# Allegro board SDHCalFEB.brd (continued)
## Routing (per net, layer and track width the routed paths; a pad name or vN(x,y) marks a point on that pad's centre or on a via; arc(x,y) is an arc through that point) (continued)
HOLD_D: length 392.8
  TOP w0.127: U1040.119 v2(75.74,69.84) ; U910.119 v2(235.76,69.84) ; U1050.4 v1(345.97,202.38) ; U845.119 v2(312.22,69.84) ; U975.119 v2(155.75,69.84)
  GND1 w0.127: v2(75.74,69.84) v3(76.48,69.84) ; v2(155.75,69.84) v3(156.49,69.84) ; v2(312.22,69.84) v3(311.48,69.84) ; v2(235.76,69.84) v3(236.5,69.84)
  SIG2 w0.127: v3(76.48,69.84) v3(156.49,69.84) v3(236.5,69.84) v3(311.48,69.84) 313.07,69.84 338.48,95.25 338.48,194.88 v1(345.97,202.38)
IBI_PA_ASIC_A1: length 1.9
  TOP w0.305: C70.2 302.37,314.56 302.02,314.21 U65.136
IBI_PA_ASIC_A2: length 1.8
  TOP w0.305: U130.136 222.01,314.06 222.34,314.39 C157.2
IBI_PA_ASIC_A3: length 2.1
  TOP w0.305: C244.2 142.33,314.79 142,314.46 U195.136
IBI_PA_ASIC_A4: length 2.2
  TOP w0.305: C331.2 62.28,314.76 61.99,314.46 U260.136
IBI_PA_ASIC_B1: length 2
  TOP w0.305: C418.2 302.37,234.58 302.02,234.23 U325.136
IBI_PA_ASIC_B5: length 2.2
  TOP w0.305: U390.136 222.01,234.28 222.34,234.61 C505.2
IBI_PA_ASIC_B6: length 2.1
  TOP w0.305: U455.136 142,234.3 142.35,234.65 C592.2
IBI_PA_ASIC_B7: length 2.2
  TOP w0.305: C679.2 62.34,234.7 61.99,234.35 U520.136
IBI_PA_ASIC_C1: length 2.2
  TOP w0.305: C766.2 302.37,154.75 302.02,154.39 U585.136
IBI_PA_ASIC_C2: length 2.2
  TOP w0.305: U650.136 222.01,154.39 222.36,154.75 C853.2
IBI_PA_ASIC_C3: length 2.2
  TOP w0.305: C940.2 142.38,154.72 142,154.34 U715.136
IBI_PA_ASIC_C4: length 2.2
  TOP w0.305: C1027.2 62.31,154.64 61.99,154.32 U780.136
IBI_PA_ASIC_D1: length 2.1
  TOP w0.305: C1114.2 302.37,74.71 302.02,74.36 U845.136
IBI_PA_ASIC_D2: length 2.2
  TOP w0.305: U910.136 222.01,74.21 222.36,74.56 C1201.2
IBI_PA_ASIC_D3: length 2.1
  TOP w0.305: C1288.2 142.35,74.58 142,74.23 U975.136
IBI_PA_ASIC_D4: length 2.1
  TOP w0.305: C1375.2 62.34,74.63 61.99,74.28 U1040.136
IREF_DAC_ASIC_A1: length 2.1
  TOP w0.305: U65.73 307.22,280.28 R67.1
IREF_DAC_ASIC_A2: length 2.3
  TOP w0.305: R151.1 227.21,280.26 U130.73
IREF_DAC_ASIC_A3: length 2.2
  TOP w0.305: U195.73 147.2,280.21 R234.1
IREF_DAC_ASIC_A4: length 2.2
  TOP w0.305: U260.73 67.19,280.14 R317.1
IREF_DAC_ASIC_B1: length 2.3
  TOP w0.305: R400.1 307.22,200.1 U325.73
IREF_DAC_ASIC_B5: length 2.2
  TOP w0.305: R484.1 227.21,200.28 U390.73
IREF_DAC_ASIC_B6: length 2.3
  TOP w0.305: R567.1 147.2,200.26 U455.73
IREF_DAC_ASIC_B7: length 2.2
  TOP w0.305: U520.73 67.19,200.78 67.32,200.65 R650.1
IREF_DAC_ASIC_C1: length 2.2
  TOP w0.305: R733.1 307.5,120.64 307.22,120.92 U585.73
IREF_DAC_ASIC_C2: length 2.2
  TOP w0.305: R817.1 227.39,120.69 227.21,120.87 U650.73
IREF_DAC_ASIC_C3: length 2.2
  TOP w0.305: U715.73 147.2,120.82 147.42,120.6 R900.1
IREF_DAC_ASIC_C4: length 2.3
  TOP w0.305: R983.1 67.19,120.37 U780.73
IREF_DAC_ASIC_D1: length 2.2
  TOP w0.305: U845.73 307.22,40.28 R1066.1
IREF_DAC_ASIC_D2: length 2.2
  TOP w0.305: R1150.1 227.21,40.31 U910.73
IREF_DAC_ASIC_D3: length 2.2
  TOP w0.305: U975.73 147.2,40.34 R1233.1
IREF_DAC_ASIC_D4: length 2.2
  TOP w0.305: U1040.73 67.19,40.29 R1316.1
N271553_ASIC_A1: length 35.7
  TOP w0.127: R66.2 R65.2 297.68,318.13 295.52,315.96 U65.146
N271553_ASIC_A2: length 34.2
  TOP w0.127: R150.2 R149.2 217.75,318.18 215.51,315.94 U130.146
N271553_ASIC_A3: length 34.4
  TOP w0.127: U195.146 135.5,316.34 137.46,318.31 R232.2 R233.2
N271553_ASIC_A4: length 34.4
  TOP w0.127: U260.146 55.49,316.32 57.27,318.11 R315.2 R316.2
N271553_ASIC_B1: length 34.3
  TOP w0.127: R399.2 R398.2 297.7,238.37 295.52,236.18 U325.146
N271553_ASIC_B5: length 34.3
  TOP w0.127: R483.2 R482.2 217.39,238.14 215.51,236.26 U390.146
N271553_ASIC_B6: length 33.9
  TOP w0.127: R566.2 R565.2 138.14,238.09 135.5,235.45 U455.146
N271553_ASIC_B7: length 33.9
  TOP w0.127: U520.146 55.49,235.47 58.11,238.09 R648.2 R649.2
N271553_ASIC_C1: length 34.1
  TOP w0.127: U585.146 295.52,155.9 297.83,158.21 R731.2 R732.2
N271553_ASIC_C2: length 34.4
  TOP w0.127: R816.2 R815.2 217.47,158.21 215.51,156.25 U650.146
N271553_ASIC_C3: length 34.3
  TOP w0.127: U715.146 135.5,156.12 137.48,158.11 R898.2 R899.2
N271553_ASIC_C4: length 34.2
  TOP w0.127: U780.146 55.49,156.07 57.52,158.11 R981.2 R982.2
N271553_ASIC_D1: length 34.2
  TOP w0.127: U845.146 295.52,76.11 297.53,78.12 R1064.2 R1065.2
N271553_ASIC_D2: length 34.1
  TOP w0.127: U910.146 215.51,75.78 217.85,78.12 R1148.2 R1149.2
N271553_ASIC_D3: length 34.2
  TOP w0.127: U975.146 135.5,76.04 137.58,78.12 R1231.2 R1232.2
N271553_ASIC_D4: length 34.1
  TOP w0.127: R1315.2 R1314.2 57.83,78.12 55.49,75.78 U1040.146
N271605_ASIC_A1: length 1.5
  TOP w0.127: R66.1 C65.2
N271605_ASIC_A2: length 5.4
  TOP w0.127: C152.2 246.15,321.4 R150.1
N271605_ASIC_A3: length 6.1
  TOP w0.127: C239.2 169.29,324.13 166.12,320.96 R233.1
N271605_ASIC_A4: length 5.8
  TOP w0.127: C326.2 86.16,320.87 R316.1
N271605_ASIC_B1: length 5.9
  TOP w0.127: C413.2 329.97,243.73 R399.1
N271605_ASIC_B5: length 5.5
  TOP w0.127: C500.2 248.77,243.41 246.15,240.8 R483.1
N271605_ASIC_B6: length 5.3
  TOP w0.127: R566.1 166.17,242.37 C587.2
N271605_ASIC_B7: length 5.5
  TOP w0.127: R649.1 86.16,241.91 C674.2
N271605_ASIC_C1: length 6.4
  TOP w0.127: R732.1 326.16,161.16 329.19,164.19 C761.2
N271605_ASIC_C2: length 5.7
  TOP w0.127: R816.1 246.15,161.45 C848.2
N271605_ASIC_C3: length 5.4
  TOP w0.127: R899.1 166.17,160.99 C936.2
N271605_ASIC_C4: length 5.5
  TOP w0.127: R982.1 86.16,161.61 88.62,164.08 C1023.2
N271605_ASIC_D1: length 5.9
  TOP w0.127: C1110.2 329.36,84.12 326.16,80.92 R1065.1
N271605_ASIC_D2: length 5.3
  TOP w0.127: C1196.2 248.39,83.91 246.15,81.68 R1149.1
N271605_ASIC_D3: length 6
  TOP w0.127: C1283.2 168.63,83.8 166.17,81.33 R1232.1
N271605_ASIC_D4: length 5.6
  TOP w0.127: C1370.2 88.77,84.09 86.16,81.47 R1315.1
N360973_ASIC_A1: length 1.5
  TOP w0.127: C65.1 329.18,315.04 C66.2
N360973_ASIC_A2: length 1.5
  TOP w0.127: C153.2 C152.1
N360973_ASIC_A3: length 1.5
  TOP w0.127: C240.2 C239.1
N360973_ASIC_A4: length 1.5
  TOP w0.127: C327.2 C326.1
N360973_ASIC_B1: length 1.5
  TOP w0.127: C413.1 331.49,244.16 C414.2
N360973_ASIC_B5: length 1.5
  TOP w0.127: C501.2 C500.1
N360973_ASIC_B6: length 1.5
  TOP w0.127: C588.2 C587.1
N360973_ASIC_B7: length 1.5
  TOP w0.127: C674.1 C675.2
N360973_ASIC_C1: length 1.5
  TOP w0.127: C762.2 C761.1
N360973_ASIC_C2: length 1.5
  TOP w0.127: C849.2 C848.1
N360973_ASIC_C3: length 1.5
  TOP w0.127: C935.2 C936.1
N360973_ASIC_C4: length 1.5
  TOP w0.127: C1022.2 C1023.1
N360973_ASIC_D1: length 1.5
  TOP w0.127: C1109.2 C1110.1
N360973_ASIC_D2: length 1.5
  TOP w0.127: C1197.2 C1196.1
N360973_ASIC_D3: length 1.5
  TOP w0.127: C1284.2 C1283.1
N360973_ASIC_D4: length 1.5
  TOP w0.127: C1371.2 C1370.1
OUT_SH_A1: length 35.2
  TOP w0.127: v1(307.22,344.96) 307.22,346.13 J36.1 ; U65.128 v2(307.22,312.16)
  GND1 w0.127: v2(307.22,312.16) v3(307.22,312.9)
  SIG1 w0.127: v3(307.22,312.9) v1(307.22,344.96)
OUT_SH_A2: length 26.4
  TOP w0.127: v2(225.58,335.56) J37.1 ; U130.128 v2(227.21,312.16)
  GND1 w0.127: v2(227.21,312.16) v3(227.21,312.9) ; v2(225.58,335.56) v3(225.58,334.82)
  SIG1 w0.127: v3(225.58,334.82) 227.21,333.19 v3(227.21,312.9)
OUT_SH_A3: length 30.5
  TOP w0.127: U195.128 v2(147.2,312.16) ; J38.1 v2(147.19,340.31)
  GND1 w0.127: v2(147.19,340.31) v3(147.19,339.57) ; v2(147.2,312.16) v3(147.2,312.9)
  SIG1 w0.127: v3(147.2,312.9) 147.2,339.57 v3(147.19,339.57)
OUT_SH_A4: length 42.3
  TOP w0.127: U260.128 v2(67.19,312.16) ; v1(42.09,341.78) J39.1
  GND1 w0.127: v2(67.19,312.16) v3(67.19,312.9)
  SIG1 w0.127: v1(42.09,341.78) 42.09,338 v3(67.19,312.9)
OUT_SH_B1: length 43
  TOP w0.127: U325.128 v2(307.22,232.15) ; v2(335.33,257.58) J59.1
  GND1 w0.127: v2(307.22,232.15) v3(307.22,232.89) ; v3(334.59,257.58) v2(335.33,257.58)
  SIG1 w0.127: v3(334.59,257.58) 331.91,257.58 v3(307.22,232.89)
OUT_SH_B2: length 52
  TOP w0.127: v2(188.54,257.71) J60.1 ; U390.128 v2(227.21,232.15)
  GND1 w0.127: v3(189.28,257.71) v2(188.54,257.71) ; v2(227.21,232.15) v3(227.21,232.89)
  SIG1 w0.127: v3(189.28,257.71) 202.39,257.71 v3(227.21,232.89)
OUT_SH_B3: length 52.8
  TOP w0.127: U455.128 v2(147.2,232.15) ; v2(107.7,257.68) J62.1
  GND1 w0.127: v3(108.43,257.68) v2(107.7,257.68) ; v2(147.2,232.15) v3(147.2,232.89)
  SIG1 w0.127: v3(108.43,257.68) 122.4,257.68 v3(147.2,232.89)
OUT_SH_B4: length 46.1
  TOP w0.127: v2(34.39,257.58) J63.1 ; U520.128 v2(67.19,232.15)
  GND1 w0.127: v3(35.13,257.58) v2(34.39,257.58) ; v2(67.19,232.15) v3(67.19,232.89)
  SIG1 w0.127: v3(35.13,257.58) 42.5,257.58 v3(67.19,232.89)
OUT_SH_C1: length 45.6
  TOP w0.127: v2(275.11,176.96) J61.1 ; U585.128 v2(307.22,152.14)
  GND1 w0.127: v2(307.22,152.14) v3(307.22,152.88) ; v3(275.11,176.23) v2(275.11,176.96)
  SIG1 w0.127: v3(275.11,176.23) 283.87,176.23 v3(307.22,152.88)
OUT_SH_C2: length 54
  TOP w0.127: U650.128 v2(227.21,152.14) ; v2(186.44,176.43) J64.1
  GND1 w0.127: v3(186.44,175.69) v2(186.44,176.43) ; v2(227.21,152.14) v3(227.21,152.88)
  SIG1 w0.127: v3(186.44,175.69) 209.25,152.88 v3(227.21,152.88)
OUT_SH_C3: length 54.2
  TOP w0.127: v2(106.27,176.45) J65.1 ; U715.128 v2(147.2,152.14)
  GND1 w0.127: v2(147.2,152.14) v3(147.2,152.88) ; v2(106.27,176.45) v3(106.27,175.72)
  SIG1 w0.127: v3(106.27,175.72) 124.36,175.72 v3(147.2,152.88)
OUT_SH_C4: length 44.3
  TOP w0.127: U780.128 v2(67.19,152.14) ; v2(35.48,174.9) J66.1
  GND1 w0.127: v2(35.48,174.9) v3(35.48,174.17) ; v2(67.19,152.14) v3(67.19,152.88)
  SIG1 w0.127: v3(67.19,152.88) 45.9,174.17 v3(35.48,174.17)
OUT_SH_D1: length 53.1
  TOP w0.127: U845.128 v2(307.22,72.13) ; v2(267.51,97.71) J67.1
  GND1 w0.127: v2(267.51,97.71) v3(268.25,97.71) ; v2(307.22,72.13) v3(307.22,72.87)
  SIG1 w0.127: v3(307.22,72.87) 282.38,97.71 v3(268.25,97.71)
OUT_SH_D2: length 52.9
  TOP w0.127: U910.128 v2(227.21,72.13) ; v2(187.68,97.69) J56.1
  GND1 w0.127: v3(188.42,97.69) v2(187.68,97.69) ; v2(227.21,72.13) v3(227.21,72.87)
  SIG1 w0.127: v3(227.21,72.87) 202.39,97.69 v3(188.42,97.69)
OUT_SH_D3: length 54.5
  TOP w0.127: v2(106.25,98.3) J57.1 ; U975.128 v2(147.2,72.13)
  GND1 w0.127: v2(147.2,72.13) v3(147.2,72.87) ; v3(106.98,98.3) v2(106.25,98.3)
  SIG1 w0.127: v3(147.2,72.87) 136.27,72.87 110.85,98.3 v3(106.98,98.3)
OUT_SH_D4: length 40.3
  TOP w0.127: U1040.128 v2(67.19,72.13) ; v2(36.42,88.44) J58.1
  GND1 w0.127: v2(67.19,72.13) v3(67.19,72.87) ; v3(37.16,88.44) v2(36.42,88.44)
  SIG1 w0.127: v3(37.16,88.44) 38.58,88.44 54.16,72.87 v3(67.19,72.87)
OUT_T&H: length 46.4
  TOP w0.127: J35.A23 v1(394.82,254.13) ; U1073.8 v1(377.47,219.07)
  SIG3 w0.127: v1(377.47,219.07) 377.47,221.82 377.94,222.29 377.94,240.7 390.73,253.49 394.18,253.49 v1(394.82,254.13)
OUT_T&H_A: length 115.6
  TOP w0.127: U1058.8 351.94,271.91 377.97,245.88 U1073.2
OUT_T&H_A1: length 46.3
  TOP w0.127: U65.129 v2(306.57,314.53) ; v1(344.78,326.34) U1078.3
  GND1 w0.127: v2(306.57,314.53) v3(306.57,315.26)
  SIG3 w0.127: v3(306.57,315.26) 318.23,326.92 344.2,326.92 v1(344.78,326.34)
OUT_T&H_A2: length 128.3
  TOP w0.127: U130.129 v2(226.56,314.53) ; v1(346.08,326.34) U1078.5
  GND1 w0.127: v2(226.56,314.53) v3(226.56,315.26)
  SIG3 w0.127: v3(226.56,315.26) 236.03,324.74 314.15,324.74 317.07,327.66 344.76,327.66 v1(346.08,326.34)
OUT_T&H_A3: length 208.9
  TOP w0.127: v1(346.08,330.58) U1078.10 ; U195.129 v2(146.55,314.53)
  GND1 w0.127: v2(146.55,314.53) v3(146.55,315.26)
  SIG3 w0.127: v3(146.55,315.26) 157.7,326.42 313.92,326.42 316.46,328.96 344.46,328.96 v1(346.08,330.58)
OUT_T&H_A4: length 287.6
  TOP w0.127: U260.129 v2(66.54,314.53) ; v1(344.78,330.58) U1078.12
  GND1 w0.127: v2(66.54,314.53) v3(66.54,315.26)
  SIG3 w0.127: v1(344.78,330.58) 344.25,330.05 81.32,330.05 v3(66.54,315.26)
OUT_T&H_B: length 42.4
  TOP w0.127: U1062.8 355.32,227.99 363.4,219.91 377.57,219.91 377.97,219.51 U1073.9
OUT_T&H_B1: length 49.6
  TOP w0.127: U325.129 v2(306.57,234.52) ; v1(349.1,242.44) U1079.3
  GND1 w0.127: v2(306.57,234.52) v3(306.57,235.25)
  SIG2 w0.127: v3(328.24,243.71) 347.83,243.71 v1(349.1,242.44)
  SIG3 w0.127: v3(328.24,243.71) 315.03,243.71 v3(306.57,235.25)
OUT_T&H_B2: length 131.5
  TOP w0.127: U390.129 v2(226.56,234.52) ; v1(350.4,242.44) U1079.5
  GND1 w0.127: v2(226.56,234.52) v3(226.56,235.25)
  SIG2 w0.127: v1(350.4,242.44) 348.41,244.42 v3(330.43,244.42)
  SIG3 w0.127: v3(226.56,235.25) 235.73,244.42 v3(330.43,244.42)
OUT_T&H_B3: length 211.6
  TOP w0.127: v1(350.4,246.68) U1079.10 ; U455.129 v2(146.55,234.52)
  GND1 w0.127: v2(146.55,234.52) v3(146.55,235.25)
  SIG2 w0.127: v3(332.28,245.29) 349.01,245.29 v1(350.4,246.68)
  SIG3 w0.127: v3(146.55,235.25) 156.58,245.29 v3(332.28,245.29)
OUT_T&H_B4: length 290.3
  TOP w0.127: U520.129 v2(66.54,234.52) ; U1079.12 v1(349.1,246.68)
  GND1 w0.127: v2(66.54,234.52) v3(66.54,235.25)
  SIG2 w0.127: v3(330.25,246.02) 348.44,246.02 v1(349.1,246.68)
  SIG3 w0.127: v3(66.54,235.25) 77.31,246.02 v3(330.25,246.02)
OUT_T&H_C: length 29.2
  TOP w0.127: U1065.8 v1(355.68,210.03) ; v1(376.97,220.62) U1073.4
  SIG2 w0.127: v1(355.68,210.03) 356.59,209.12 365.46,209.12 v1(376.97,220.62)
OUT_T&H_C1: length 76.8
  TOP w0.127: v1(349.38,211.3) 349.38,211.1 349.35,211.07 U1080.3 ; U585.129 v2(306.57,154.51)
  GND1 w0.127: v2(306.57,154.51) v3(306.57,155.24)
  SIG2 w0.127: v3(334.54,196.39) 349.38,211.23 v1(349.38,211.3)
  SIG3 w0.127: v3(334.54,196.39) 308.94,170.79 308.94,169.99 306.57,167.62 v3(306.57,155.24)
OUT_T&H_C2: length 151
  TOP w0.127: v1(350.65,211.3) U1080.5 ; U650.129 v2(226.56,154.51)
  GND1 w0.127: v3(226.56,155.24) v2(226.56,154.51)
  SIG2 w0.127: v1(350.65,211.3) 349.86,212.09 348.16,212.09 v3(333.07,197)
  SIG3 w0.127: v3(333.07,197) 313.44,177.37 248.68,177.37 v3(226.56,155.24)
OUT_T&H_C3: length 232.1
  TOP w0.127: U715.129 v2(146.55,154.51) ; v1(350.65,215.54) U1080.10
  GND1 w0.127: v2(146.55,154.51) v3(146.55,155.24)
  SIG2 w0.127: v1(350.65,215.54) 350.49,215.54 v3(333.26,198.31)
  SIG3 w0.127: v3(333.26,198.31) 313.49,178.54 169.84,178.54 v3(146.55,155.24)
OUT_T&H_C4: length 310.8
  TOP w0.127: U780.129 v2(66.54,154.51) ; v1(349.35,215.54) 349.35,216.67 U1080.12
  GND1 w0.127: v2(66.54,154.51) v3(66.54,155.24)
  SIG2 w0.127: v1(349.35,215.54) v3(333.72,199.91)
  SIG3 w0.127: v3(66.54,155.24) 91.71,180.42 314.23,180.42 v3(333.72,199.91)
OUT_T&H_D: length 117.3
  TOP w0.127: v1(359,114.86) 358,115.86 U1069.8 ; v1(376.97,216.53) U1073.7
  SIG2 w0.127: v1(359,207.92) 365.81,207.92 374.42,216.53 v1(376.97,216.53)
  BOTTOM w0.127: v1(359,114.86) v1(359,207.92)
OUT_T&H_D1: length 65.1
  TOP w0.127: U845.129 v2(306.57,74.5) ; v1(353.68,111.2) U1081.3
  GND1 w0.127: v2(306.57,74.5) v3(306.57,75.23)
  SIG3 w0.127: v1(353.68,111.2) 345.39,111.2 314.86,80.67 312.01,80.67 v3(306.57,75.23)
OUT_T&H_D2: length 146.4
  TOP w0.127: v1(354.6,112.12) U1081.5 ; U910.129 v2(226.56,74.5)
  GND1 w0.127: v2(226.56,74.5) v3(226.56,75.23)
  SIG3 w0.127: v1(354.6,112.12) 344.51,112.12 317.42,85.04 236.37,85.04 v3(226.56,75.23)
OUT_T&H_D3: length 225.3
  TOP w0.127: U975.129 v2(146.55,74.5) ; v1(351.6,115.12) U1081.10
  GND1 w0.127: v2(146.55,74.5) v3(146.55,75.23)
  SIG3 w0.127: v3(146.55,75.23) 158.44,87.12 317.91,87.12 343.87,113.08 350.8,113.08 351.6,113.88 v1(351.6,115.12)
OUT_T&H_D4: length 303.4
  TOP w0.127: U1040.129 v2(66.54,74.56) ; v1(350.68,114.2) 349.88,115
  GND1 w0.127: v2(66.54,74.56) v3(66.54,75.38)
  SIG3 w0.127: v1(350.68,114.2) 342.19,114.2 321.89,93.9 85.06,93.9 v3(66.54,75.38)
OUT_TRIG0B: length 296.6
  TOP w0.127: U1061.8 v1(138.48,344.76) ; v1(394.75,264.29) J35.A31
  SIG2 w0.127: v1(138.48,344.76) 146.2,344.76 151.66,339.29 319.38,339.29 356.31,302.36 356.31,294 385.34,264.97 394.07,264.97 v1(394.75,264.29)
OUT_TRIG0B_A: length 384.3
  TOP w0.127: v1(80.87,343.52) U1060.1 ; v2(153.39,287.77) 154.57,287.77 U195.85 ; v1(138.66,342.16) U1061.4 ; U260.85 v2(73.38,287.77) ; v2(235.79,287.77) U130.85 ; U65.85 v2(313.41,287.77)
  TOP w0.508: R79.2 80.85,343.54 v1(80.87,343.52)
  GND1 w0.127: v3(236.52,287.77) v2(235.79,287.77) ; v2(153.39,287.77) v3(152.65,287.77) ; v2(313.41,287.77) v3(312.67,287.77) ; v2(73.38,287.77) v3(72.64,287.77)
  SIG2 w0.127: v1(138.66,342.16) 133.68,342.16 132.99,342.85 127.53,342.85 126.36,344.02 81.37,344.02 v1(80.87,343.52) 65.86,328.51 65.86,294.55 v3(72.64,287.77) 78.32,287.77 79.63,286.46 106.5,286.46 107.12,287.08 118.55,287.08 119.81,285.83 129.82,285.83 131.76,287.77 v3(152.65,287.77) 180.73,287.77 182.73,285.78 208.31,285.78 210.3,287.77 v3(236.52,287.77) 239.23,287.77 246.41,280.59 288.52,280.59 293.09,285.17 306.27,285.17 308.88,287.77 v3(312.67,287.77)
OUT_TRIG0B_A&B: length 60.4
  TOP w0.127: U1060.3 v1(80.87,342.22) ; v1(135.25,342.81) U1061.12 ; v1(107.55,345.47) U1082.1
  SIG1 w0.127: v1(80.87,342.22) 104.3,342.22 v1(107.55,345.47) 132.6,345.47 v1(135.25,342.81)
OUT_TRIG0B_A&B&C&D: length 26.6
  TOP w0.127: U1061.9 109.88,344.76 108.85,345.79 U1082.3
OUT_TRIG0B_B: length 480.6
  TOP w0.127: U455.85 v2(153.39,207.76) ; U1060.4 80.63,341.57 79.53,340.46 v1(63.04,340.46) ; U1060.4 82.73,341.57 83.48,342.32 v1(83.48,342.87) U1060.2 ; U1060.4 82.09,341.56 R412.2 ; U390.85 v2(233.4,207.76) ; U325.85 v2(313.41,207.76) ; v1(140.89,342.81) U1061.5 ; U520.85 v2(73.38,207.76)
  GND1 w0.127: v2(233.4,207.76) v3(232.66,207.76) ; v2(153.39,207.76) v3(152.65,207.76) ; v2(73.38,207.76) v3(72.62,207.76) ; v2(313.41,207.76) v3(312.68,207.76)
  SIG2 w0.127: v1(83.48,342.87) 126.53,342.87 129.92,339.47 135.53,339.47 137.57,341.5 139.59,341.5 v1(140.89,342.81) ; v1(63.04,340.46) 60.53,337.95 60.53,317.78 61.14,317.17 61.14,314.99 60.1,313.94 60.1,220.28 v3(72.62,207.76) 80.99,207.76 82.25,206.5 123.75,206.5 124.43,207.19 127,207.19 127.57,207.76 v3(152.65,207.76) 160.08,207.76 162.26,205.59 206.04,205.59 208.22,207.76 v3(232.66,207.76) 240.4,207.76 243.69,204.47 289.38,204.47 292.67,207.76 v3(312.68,207.76)
OUT_TRIG0B_B&C: length 53.4
  TOP w0.127: v1(133.02,343.46) U1061.11 ; U1060.6 v1(83.35,340.27)
  SIG1 w0.127: v1(83.35,340.27) 87.43,340.27 88.06,340.89 130.46,340.89 v1(133.02,343.46)
OUT_TRIG0B_C: length 558.7
  TOP w0.127: v1(88.95,340.27) U1060.9 85.69,340.27 85.04,340.92 U1060.5 v1(80.87,340.92) ; U1061.6 139.77,343.46 v1(138.66,343.46) ; U585.85 v2(313.41,127.75) ; U715.85 v2(152.15,127.75) ; U650.85 v2(233.4,127.75) ; U780.85 v2(73.38,127.75)
  TOP w0.508: R745.2 80.23,340.27 v1(80.87,340.92)
  GND1 w0.127: v2(233.4,127.75) v3(232.67,127.75) ; v2(73.38,127.75) v3(72.65,127.75) ; v2(313.41,127.75) v3(312.68,127.75) ; v2(152.15,127.75) v3(151.41,127.75)
  SIG1 w0.127: v1(88.95,340.27) 131.76,340.27 132.21,340.72 135.92,340.72 v1(138.66,343.46) ; v3(56.26,334.16) 58.78,336.68 76.63,336.68 v1(80.87,340.92)
  SIG2 w0.127: v3(56.26,334.16) 55.55,333.45 55.55,144.85 v3(72.65,127.75) 79.29,127.75 81.89,125.15 129.11,125.15 131.71,127.75 v3(151.41,127.75) 159.68,127.75 162.28,125.15 208.97,125.15 211.57,127.75 v3(232.67,127.75) 239.97,127.75 242.54,125.17 292.91,125.17 295.49,127.75 v3(312.68,127.75)
OUT_TRIG0B_C&D: length 53.1
  TOP w0.127: U1061.10 109.72,344.11 108.2,345.62 U1082.2 108.2,347.81 107.59,348.41 102.51,348.41 93.72,339.62 U1060.8
OUT_TRIG0B_D: length 640.1
  TOP w0.127: U910.85 v2(233.4,47.74) ; v1(140.89,344.11) U1061.7 ; U1040.85 v2(73.38,47.74) ; U975.85 v2(153.39,47.74) ; U845.85 v2(313.41,47.74) ; v1(86.51,340.92) U1060.10
  TOP w0.305: R1078.2 87.74,340.91 U1060.10
  GND1 w0.127: v2(313.41,47.74) v3(312.68,47.74) ; v2(233.4,47.74) v3(232.67,47.74) ; v2(73.38,47.74) v3(72.65,47.74) ; v2(153.39,47.74) v3(152.66,47.74)
  SIG2 w0.127: v3(312.68,47.74) v3(232.67,47.74) v3(152.66,47.74) v3(72.65,47.74) 49.94,70.45 v3(49.94,328.85)
  SIG3 w0.127: v1(140.89,344.11) 138.52,344.11 135.33,340.92 v1(86.51,340.92) 81.54,335.94 57.02,335.94 v3(49.94,328.85)
OUT_TRIG1B: length 296.7
  TOP w0.127: U1067.8 v1(138.53,351.69) ; J35.B32 v1(391.92,265.56)
  SIG2 w0.127: v1(391.92,265.56) 386.03,265.56 357.2,294.39 357.2,304.01 314.96,346.25 151.36,346.25 145.92,351.69 v1(138.53,351.69)
OUT_TRIG1B_A: length 395.3
  TOP w0.127: v1(138.58,349.09) U1067.4 ; v2(155.75,287.12) U195.84 ; U260.84 v2(75.74,287.12) ; v2(233.4,287.12) U130.84 ; v1(81.18,350.73) U1064.1 ; U65.84 v2(315.77,287.12)
  TOP w0.508: v1(81.18,350.73) 81.17,350.72 R78.1
  GND1 w0.127: v2(315.77,287.12) v3(315.04,287.12) ; v2(75.74,287.12) v3(75.01,287.12) ; v3(155.02,287.12) v2(155.75,287.12) ; v2(233.4,287.12) v3(234.14,287.12)
  SIG2 w0.127: v1(138.58,349.09) 136.1,351.57 106.31,351.57 105.99,351.26 81.7,351.26 v1(81.18,350.73) 65.23,334.78 65.23,293.7 71.81,287.12 v3(75.01,287.12) 76.89,287.12 78.77,285.24 130.25,285.24 132.13,287.12 v3(155.02,287.12) 180.09,287.12 182.14,285.06 208.86,285.06 210.92,287.12 v3(234.14,287.12) 238.84,287.12 246.2,279.76 289,279.76 292.46,283.21 305.59,283.21 309.5,287.12 v3(315.04,287.12)
OUT_TRIG1B_A&B: length 59.1
  TOP w0.127: U1064.3 v1(81.2,349.43) ; v1(135.18,349.74) U1067.12 ; v1(109.5,347.9) U1082.4
  SIG1 w0.127: v1(135.18,349.74) 126.93,349.74 125.96,348.77 110.36,348.77 v1(109.5,347.9) 104.7,347.9 104.44,347.65 91.55,347.65 89.76,349.43 v1(81.2,349.43)
OUT_TRIG1B_A&B&C&D: length 25.8
  TOP w0.127: U1082.6 110.8,347.55 112.19,348.95 115.77,348.95 118.52,351.69 U1067.9
OUT_TRIG1B_B: length 486.6
  TOP w0.127: v1(140.82,349.74) U1067.5 ; U390.84 v2(235.76,207.11) ; v1(64.72,343.99) 76.07,343.99 80.86,348.78 ; U455.84 v2(155.75,207.11) ; 80.86,348.78 U1064.4 83.25,348.78 83.62,349.15 v1(83.62,350.08) U1064.2 ; 80.86,348.78 80.86,348.78 R411.1 ; U325.84 v2(315.77,207.11) ; U520.84 v2(75.74,207.11)
  GND1 w0.127: v2(155.75,207.11) v3(156.49,207.11) ; v2(235.76,207.11) v3(236.5,207.11) ; v2(315.77,207.11) v3(316.51,207.11) ; v2(75.74,207.11) v3(76.48,207.11)
  SIG1 w0.127: v1(83.62,350.08) 91.4,350.08 91.87,349.61 121.01,349.61 122.48,351.08 139.48,351.08 v1(140.82,349.74)
  SIG2 w0.127: v3(316.51,207.11) 293.57,207.11 289.94,203.48 243.71,203.48 240.08,207.11 v3(236.5,207.11) 208.71,207.11 206.63,205.03 161.75,205.03 159.67,207.11 v3(156.49,207.11) 128.47,207.11 127.25,205.89 81.79,205.89 80.57,207.11 v3(76.48,207.11) 72.21,207.11 59.41,219.91 59.41,323.19 59.28,323.32 59.28,338.56 v1(64.72,343.99)
OUT_TRIG1B_B&C: length 52.9
  TOP w0.127: v1(132.94,350.39) U1067.11 ; U1064.6 v1(83.7,347.48)
  SIG2 w0.127: v1(83.7,347.48) 84.91,348.69 108.05,348.69 109.75,350.39 v1(132.94,350.39)
OUT_TRIG1B_C: length 570
  TOP w0.127: U780.84 v2(75.74,127.1) ; v1(81.18,348.13) U1064.5 85.19,348.13 85.84,347.48 U1064.9 v1(89.26,347.48) ; U1067.6 v1(138.58,350.39) ; v2(315.78,127.1) U585.84 ; U715.84 v2(155.75,127.1) ; U650.84 v2(235.76,127.1)
  TOP w0.508: R744.1 80.5,347.45 v1(81.18,348.13)
  GND1 w0.127: v2(315.78,127.1) v3(316.51,127.1) ; v2(235.76,127.1) v3(236.5,127.1) ; v2(75.74,127.1) v3(76.48,127.1) ; v2(155.75,127.1) v3(156.49,127.1)
  SIG1 w0.127: v1(89.26,347.48) 90.03,346.71 110.36,346.71 111.43,347.78 135.97,347.78 v1(138.58,350.39) ; v1(81.18,348.13) 63.57,348.13 v1(63.56,348.12)
  SIG2 w0.127: v3(316.51,127.1) 296.01,127.1 293.42,124.51 242.42,124.51 239.83,127.1 v3(236.5,127.1) 212.24,127.1 209.75,124.61 161.75,124.61 159.26,127.1 v3(156.49,127.1) 132.26,127.1 129.79,124.64 81.43,124.64 78.97,127.1 v3(76.48,127.1) 71.99,127.1 54.74,144.35 54.74,339.29 v1(63.56,348.12)
OUT_TRIG1B_C&D: length 52.3
  TOP w0.127: U1064.8 96.74,346.83 99.16,349.25 108.97,349.25 110.15,348.07 U1082.5 110.15,345.86 110.69,345.31 114.12,345.31 119.85,351.04 U1067.10
OUT_TRIG1B_D: length 655.2
  TOP w0.127: U1040.84 v2(75.74,47.09) ; v1(86.82,348.13) 88.03,348.13 U1064.10 ; U975.84 v2(155.75,47.09) ; v1(140.82,351.04) U1067.7 ; U910.84 v2(235.76,47.09) ; U845.84 v2(315.78,47.09)
  TOP w0.305: U1064.10 88.05,348.12 R1077.1
  GND1 w0.127: v2(315.78,47.09) v3(316.51,47.09) ; v2(155.75,47.09) v3(156.49,47.09) ; v2(235.76,47.09) v3(236.5,47.09) ; v2(75.74,47.09) v3(76.48,47.09)
  SIG2 w0.127: v3(316.51,47.09) v3(236.5,47.09) v3(156.49,47.09) v3(76.48,47.09) 71.91,47.09 49,70 49,339.04 v1(54.75,344.8)
  SIG3 w0.127: v1(140.82,351.04) 137.93,351.04 135.97,349.07 134.19,349.07 133.6,348.49 101.63,348.49 101.4,348.72 87.4,348.72 v1(86.82,348.13) 83.48,344.8 v1(54.75,344.8)
OUT_TRIG2B: length 304.7
  TOP w0.127: J35.A33 v1(394.75,266.83) ; U1071.8 v1(138.56,359.31)
  SIG2 w0.127: v1(394.75,266.83) 394.14,267.44 385.5,267.44 358.01,294.92 358.01,309.17 318.41,348.77 156.39,348.77 145.85,359.31 v1(138.56,359.31)
OUT_TRIG2B_A: length 407.8
  TOP w0.127: v1(140.79,356.71) U1071.4 ; v1(81.41,357.46) U1068.1 ; U65.83 v2(311.71,286.47) ; v2(152.6,286.47) U195.83 ; U260.83 v2(72.06,286.47) ; v2(232.94,286.47) U130.83
  TOP w0.508: v1(81.41,357.46) 81.4,357.46 R77.2
  GND1 w0.127: v2(72.06,286.47) v3(71.32,286.47) ; v3(151.87,286.47) v2(152.6,286.47) ; v2(311.71,286.47) v3(310.97,286.47) ; v2(232.94,286.47) v3(232.21,286.47)
  SIG2 w0.127: v1(140.79,356.71) 139.54,357.96 137.59,357.96 136.19,359.36 83.31,359.36 v1(81.41,357.46) 81.41,357.45 64.59,340.64 64.59,293.2 v3(71.32,286.47) 75.2,286.47 77.22,284.45 130.51,284.45 132.52,286.47 v3(151.87,286.47) 158.21,286.47 161.01,283.67 208.58,283.67 211.39,286.47 v3(232.21,286.47) 235.03,286.47 243.24,278.26 302.77,278.26 310.97,286.46 v3(310.97,286.47)